# Altium PCB ControllerV3.0.PcbDoc (part 1 of 2) (continued)
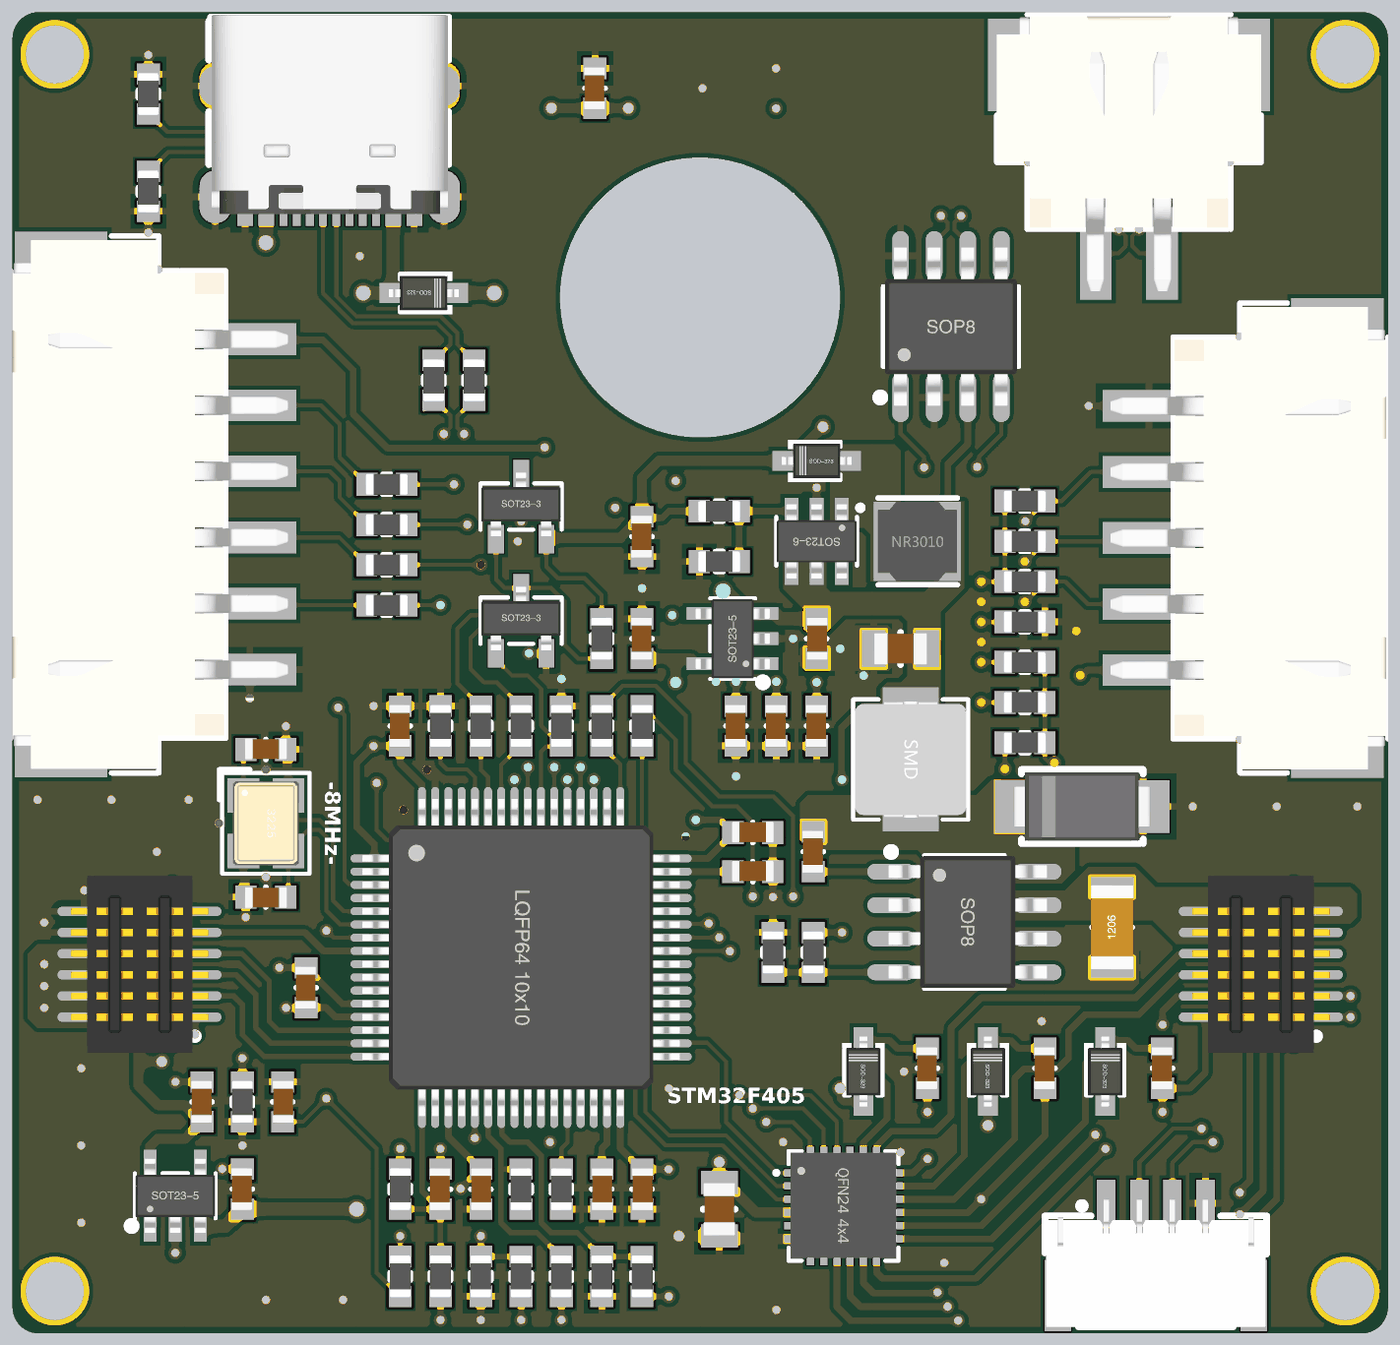
[diagram p6: 3D render of the assembled board from below, using the file's embedded part models]

## Layer stack, top to bottom
Top Solder: solder mask 0.4, Solder Resist, Dk 3.5
Top: signal copper 1.4
Dielectric 4: prepreg 2.8, PP-006, Dk 4.1
Dielectric 2: prepreg 2.8, PP-006, Dk 4.1
Gnd: signal copper 1.378
Dielectric 1: dielectric 47.244, FR-4, Dk 4.8
Signal: signal copper 1.378
Dielectric 3: prepreg 2.8, PP-006, Dk 4.1
Dielectric 5: prepreg 2.8, PP-006, Dk 4.1
Bottom: signal copper 1.4
Bottom Solder: solder mask 0.4, Solder Resist, Dk 3.5

## Board outline
-0.63,39.37 -0.63,1929.13 cw(c38.74,1929.13) 38.74,1968.5 2007.87,1968.5 cw(c2007.87,1929.13) 2047.24,1929.13 2047.24,39.37 cw(c2007.87,39.37) 2007.87,0 38.74,0 cw(c38.74,39.37)
cut-out: 1023.62,1334.65 cw(c1023.62,1543.31) 814.96,1543.31 cw(c1023.62,1543.31) 1023.62,1751.97 cw(c1023.62,1543.31) 1232.28,1543.31 cw(c1023.62,1543.31)

## Design rules (kind name [scope] priority, off if disabled: settings)
BoardOutlineClearance [All] p1: gap=0 ignorepadtopadclearanceinfootprint=FALSE except(10: Poly-OutlineEdge)
Clearance [All] p1: gap=6 ignorepadtopadclearanceinfootprint=FALSE except(4: Arc-Arc Arc-Track Track-Track)
ComponentClearance [All] p1: gap=0 collisioncheckmode=3 verticalgap=0 showdistances=FALSE
Height [All] p1: minheight=0 maxheight=2000 prefheight=500
HoleSize [All] p1: absolutevalues=TRUE maxlimit=500 minlimit=1 maxpercent=80.000 minpercent=20.000
HoleToHoleClearance [All] p1: gap=0 allowstackedmicrovias=TRUE
MinimumSolderMaskSliver [All] p1: minsoldermaskwidth=0
PolygonConnect PolygonConnect_18 [All vs IsNamedPolygon('GND_L04_P002')] p1: connectstyle=Direct reliefconductorwidth=10 reliefentries=4 polygonreliefangle="90 Angle" airgapwidth=10
PolygonConnect PolygonConnect_17 [All vs IsNamedPolygon('GND_L04_P018')] p2: thpad.connectstyle=Relief thpad.reliefconductorwidth=10 thpad.reliefentries=4 thpad.polygonreliefangle="90 Angle" thpad.airgapwidth=10 smdpad.connectstyle=Relief smdpad.reliefconductorwidth=10 smdpad.reliefentries=4 smdpad.polygonreliefangle="90 Angle" smdpad.airgapwidth=10 via.connectstyle=Direct via.reliefconductorwidth=10 via.reliefentries=4 via.polygonreliefangle="90 Angle" via.airgapwidth=10
PolygonConnect PolygonConnect_16 [All vs IsNamedPolygon('GND_L02_P017')] p3: thpad.connectstyle=Relief thpad.reliefconductorwidth=10 thpad.reliefentries=4 thpad.polygonreliefangle="90 Angle" thpad.airgapwidth=10 smdpad.connectstyle=Relief smdpad.reliefconductorwidth=10 smdpad.reliefentries=4 smdpad.polygonreliefangle="90 Angle" smdpad.airgapwidth=10 via.connectstyle=Direct via.reliefconductorwidth=10 via.reliefentries=4 via.polygonreliefangle="90 Angle" via.airgapwidth=10
PolygonConnect PolygonConnect_15 [All vs IsNamedPolygon('GND_L01_P016')] p4: thpad.connectstyle=Relief thpad.reliefconductorwidth=10 thpad.reliefentries=4 thpad.polygonreliefangle="90 Angle" thpad.airgapwidth=10 smdpad.connectstyle=Relief smdpad.reliefconductorwidth=10 smdpad.reliefentries=4 smdpad.polygonreliefangle="90 Angle" smdpad.airgapwidth=10 via.connectstyle=Direct via.reliefconductorwidth=10 via.reliefentries=4 via.polygonreliefangle="90 Angle" via.airgapwidth=10
PolygonConnect PolygonConnect_14 [All vs IsNamedPolygon('AGND_L01_P015')] p5: thpad.connectstyle=Relief thpad.reliefconductorwidth=10 thpad.reliefentries=4 thpad.polygonreliefangle="90 Angle" thpad.airgapwidth=10 smdpad.connectstyle=Relief smdpad.reliefconductorwidth=10 smdpad.reliefentries=4 smdpad.polygonreliefangle="90 Angle" smdpad.airgapwidth=10 via.connectstyle=Direct via.reliefconductorwidth=10 via.reliefentries=4 via.polygonreliefangle="90 Angle" via.airgapwidth=10
PolygonConnect PolygonConnect_13 [All vs IsNamedPolygon('AGND_L04_P014')] p6: connectstyle=Direct reliefconductorwidth=10 reliefentries=4 polygonreliefangle="90 Angle" airgapwidth=10
PolygonConnect PolygonConnect_12 [All vs IsNamedPolygon('Bottom-GND')] p7: connectstyle=Direct reliefconductorwidth=10 reliefentries=4 polygonreliefangle="90 Angle" airgapwidth=10
PolygonConnect PolygonConnect_11 [All vs IsNamedPolygon('NETD2_2_L04_P011')] p8: connectstyle=Direct reliefconductorwidth=10 reliefentries=4 polygonreliefangle="90 Angle" airgapwidth=10
PolygonConnect PolygonConnect_10 [All vs IsNamedPolygon('5V_L04_P010')] p9: connectstyle=Direct reliefconductorwidth=10 reliefentries=4 polygonreliefangle="90 Angle" airgapwidth=10
PolygonConnect PolygonConnect_9 [All vs IsNamedPolygon('GND_L04_P009')] p10: connectstyle=Direct reliefconductorwidth=10 reliefentries=4 polygonreliefangle="90 Angle" airgapwidth=10
PolygonConnect PolygonConnect_8 [All vs IsNamedPolygon('Bottom-5V')] p11: connectstyle=Direct reliefconductorwidth=10 reliefentries=4 polygonreliefangle="90 Angle" airgapwidth=10
PolygonConnect PolygonConnect_7 [All vs IsNamedPolygon('Bottom-5V')] p12: connectstyle=Direct reliefconductorwidth=10 reliefentries=4 polygonreliefangle="90 Angle" airgapwidth=10
PolygonConnect PolygonConnect_6 [All vs IsNamedPolygon('5V_L04_P005')] p13: connectstyle=Direct reliefconductorwidth=10 reliefentries=4 polygonreliefangle="90 Angle" airgapwidth=10
PolygonConnect PolygonConnect_5 [All vs IsNamedPolygon('5V_L04_P003')] p14: connectstyle=Direct reliefconductorwidth=10 reliefentries=4 polygonreliefangle="90 Angle" airgapwidth=10
PolygonConnect PolygonConnect_4 [All vs IsNamedPolygon('NETC1_2_L04_P001')] p15: connectstyle=Direct reliefconductorwidth=10 reliefentries=4 polygonreliefangle="90 Angle" airgapwidth=10
PolygonConnect PolygonConnect_3 [All vs IsNamedPolygon('GND_L04_P002')] p16: connectstyle=Direct reliefconductorwidth=10 reliefentries=4 polygonreliefangle="90 Angle" airgapwidth=10
PolygonConnect PolygonConnect_2 [All vs IsNamedPolygon('DCBUS_L04_P000')] p17: connectstyle=Direct reliefconductorwidth=10 reliefentries=4 polygonreliefangle="90 Angle" airgapwidth=10
PolygonConnect [All vs IsNamedPolygon('5V_L04_P003')] p18: connectstyle=Direct reliefconductorwidth=10 reliefentries=4 polygonreliefangle="90 Angle" airgapwidth=10
PolygonConnect PolygonConnect_1 [All] p19: connectstyle=Relief reliefconductorwidth=10 reliefentries=4 polygonreliefangle="90 Angle" airgapwidth=10
RoutingVias [All] p1: holewidth=12 width=24 viastyle="Through Hole" minholewidth=10 minwidth=10 maxholewidth=30 maxwidth=50
SilkToSilkClearance [All] p1: silktosilkclearance=0
SilkToSolderMaskClearance [IsPad] p1: minsilkscreentomaskgap=0 clearancetoexposedcopper=TRUE
SolderMaskExpansion [IsVia] p1: expansion=4 istentingtop=TRUE
Width [All] p1: maxlimit=100 minlimit=6 preferedwidth=10
23 further rules are at their usual default settings.

## Classes and differential pairs
component class ControllerV3.0_2: C19 C20 C21 C22 C23 C24 C25 C26 C27 D4 D5 D6 J1 J2 OLED1 Q1 Q2 R17 R18 R19 R20 R21 R22 R23 R24 R25 R26 R27 R28 R29 R30 R31 R32 R33 R34 R35 R36 R37 R38 RGB1 U7 XH3 XH4
component class ControllerV3.0_1: C1 C2 C3 C4 C5 C6 C7 C8 C9 C10 C11 C12 C13 C14 C15 C16 C17 C18 D1 D2 D3 L1 L2 LED1 LED2 R1 R2 R3 R4 R5 R6 R7 R8 R9 R10 R11 R12 R13 R14 R15 R16 SW1 SW2 U1 U2 U3 U4 U5 U6 USB1 X1 XH1 XH2

## Components (designator, comment, footprint, x,y, rotation, side; value= is the part's Value field where it differs from the comment)
C1 "10nf" C0603_S 855,717.6 r90 bottom
C2 "10uf" C1206_S 410,605 r90 bottom
C3 "22uf" C0603_S 1110,1187 r90 bottom
C4 "47uf" C0805_S 725,1020 r180 bottom
C5 "1uf" C0603_S 850,1035 r270 bottom
C6 "1uf" C0603_S 1110,1035 r90 bottom
C7 "2.2uf" C0603_S 945,687.95 r180 bottom
C8 "2.2uf" C0603_S 1170,214.88 r270 bottom
C9 "0.1uf" C0603_S 1705,215 r90 bottom
C10 "0.1uf" C0603_S 1765,345 r90 bottom
C11 "0.1uf" C0603_S 1110,214.88 r270 bottom
C12 "0.1uf" C0603_S 1470,905 r90 bottom
C13 "0.1uf" C0603_S 945,746.13 r180 bottom
C14 "0.1uf" C0603_S 1350.01,214.88 r270 bottom
C15 "0.1uf" C0603_S 1610,515 r90 bottom
C16 "0.1uf" C0603_S 1645,345 r270 bottom
C17 "20pf" C0603_S 1670,650 r0 bottom
C18 "20pf" C0603_S 1670,870 r180 bottom
C19 "1uf" C0603_S 685,395 r90 bottom
C20 "1uf" C0603_S 510,395 r90 bottom
C21 "10uf" C0805_S 995,185 r90 bottom
C22 "1uf" C0603_S 335,395 r90 bottom
C23 "0.1uf" C0603_S 910,905 r90 bottom
C24 "4.7uf" C0603_S 970,905 r90 bottom
C25 "4.7uf" C0603_S 850,905 r90 bottom
C26 "0.1uf" C0603_S 1410.01,214.88 r90 bottom
C27 "0.1uf" C0603_S 1180,1855 r90 bottom
D1 "SS34" SS34 545,785 r180 bottom
D2 "1N5819WS" SOD-323 850,1300 r180 bottom
D3 "1N5819WS" SOD-323 1435,1550 r0 bottom
D4 "1N5819WS" SOD-323 780.47,390 r270 bottom
D5 "1N5819WS" SOD-323 595,390 r270 bottom
D6 "1N5819WS" SOD-323 420.26,390 r270 bottom
J1 "BTB-2X6-F" BTB-F-0.8MM-2X6P 188.74,550 r0 bottom
J2 "BTB-2X6-F" BTB-F-0.8MM-2X6P 1858.23,550 r0 bottom
L1 "10uH" SMD-0420 710,855 r270 bottom
L2 "10uH" IND-SMD_L3.0-W3.0_SWPA3010S 700,1180 r180 bottom value=22uH
LED1 "LED_0603-B" LED_0603 948.99,1262.87 r90 top
LED2 "LED_0603-B" LED_0603 1098.53,1262.87 r90 top
OLED1 "OLED_12880" OLED_12880 693.74,932.05 r180 top
Q1 "FDN338P" SOT-23-3 1290,1235 r270 bottom
Q2 "FDN335N" SOT-23-3 1290,1065 r270 bottom
R1 "10k" R0603_S 1230,214.88 r270 bottom
R2 "470k" R0603_S 995,1225 r0 bottom
R3 "47k" R0603_S 855,567.56 r90 bottom
R4 "30k" R0603_S 995,1150 r180 bottom
R5 "15k" R0603_S 915,567.65 r270 bottom
R6 "2k" R0603_S 1290,905 r270 bottom
R7 "10k" R0603_S 1410,905 r90 bottom
R8 "510R" R0603_S 1350,905 r270 bottom
R9 "5.1k" R0603_S 1845,1701.29 r90 bottom
R10 "120R" R0603_S 385,1695 r0 top
R11 "10k" R0603_S 1470,85 r90 bottom
R12 "22R" R0603_S 1110,905 r90 bottom
R13 "22R" R0603_S 1360,1420 r270 bottom
R14 "22R" R0603_S 1420,1420 r270 bottom
R15 "22R" R0603_S 1170,905 r90 bottom
R16 "5.1k" R0603_S 1845,1846.42 r270 bottom
R17 "0R" R0603_S 1705,345 r270 bottom
R18 "47k" R0603_S 1170,1035 r90 bottom
R19 "10k" R0603_S 1410,85 r270 bottom
R20 "47k" R0603_S 1230,905 r270 bottom
R21 "470k" R0603_S 540,1060 r0 bottom
R22 "1k" R0603_S 1470,215 r270 bottom
R23 "22R" R0603_S 540,1000 r180 bottom
R24 "2.2k" R0603_S 540,880 r180 bottom
R25 "22R" R0603_S 540,940 r180 bottom
R26 "30k" R0603_S 1290,84.88 r270 bottom
R27 "30k" R0603_S 1230,84.88 r270 bottom
R28 "30k" R0603_S 1110,84.88 r270 bottom
R29 "2k" R0603_S 1350,84.88 r90 bottom
R30 "2k" R0603_S 1290,214.88 r90 bottom
R31 "2k" R0603_S 1170,84.88 r90 bottom
R32 "3.3k" R0603_S 540,1120 r0 bottom
R33 "3.3k" R0603_S 540,1180 r0 bottom
R34 "3.3k" R0603_S 540,1240 r0 bottom
R35 "22R" R0603_S 1490,1265 r0 bottom
R36 "22R" R0603_S 1490,1205 r0 bottom
R37 "22R" R0603_S 1490,1145 r0 bottom
R38 "22R" R0603_S 1490,1085 r0 bottom
RGB1 "XL-3528RGBW-WS2812B" LED-SMD_4P 1019.46,1855 r180 top
SW1 "TS-1187A-B-A-B" "TSW SMD-4*4*1.5" 1672.66,1045.16 r0 top
SW2 "TS-1187A-B-A-B" "TSW SMD-4*4*1.5" 1672.66,790.2 r0 top
U1 "STM32F405RGT6" LQFP_64 1290,560 r180 bottom
U2 "TPS5450DDAR" SOP-8-EP 630,612.95 r270 bottom
U3 "MT3608L" SOT-23-6 850,1180 r0 bottom
U4 "TLV75733PDBVR" SOT-23-5 975,1035 r90 bottom
U5 "LP5907QMFX-3.3" SOT-23-5 1805,205 r180 bottom
U6 "TJA1051T/1J" SOP-8 650,1500 r180 bottom
U7 "FD6288Q" QFN-24-EP(4x4) 810,190 r270 bottom
USB1 "TYPE-C 16PIN 2MD(073)" USB-C-SMD_TYPE-C-6PIN-2MD-073 1575,1765 r0 bottom
X1 "-" "OSC 3225-4P" 1670,760 r270 bottom
XH1 "XH2.54-WS-2P" XH2.54-WS-2P 385,1805 r0 bottom
XH2 "GH1.25-WS-4P" GH1.25-WS-4P 345,125 r180 bottom
XH3 "XH2.54-WS-6P" XH2.54-WS-6P 1890,1235 r270 bottom
XH4 "XH2.54-WS-5P" XH2.54-WS-5P 159.37,1185 r90 bottom

## Footprints (in the part's own frame and the unit in brackets; to place one, negate y for a bottom-side part, rotate by r counter-clockwise, add the part's x,y. Pads: shape width x height; smd on the part's side, far side on the other; paste and mask are expansions set on the pad)
BTB-F-0.8MM-2X6P [mm] "0.8间距2x6P母座，SMD"
  oval 2x0.35 smd: 1(-2.1,2) 2(-2.1,1.2) 3(-2.1,0.4) 4(-2.1,-0.4) 5(-2.1,-1.2) 6(-2.1,-2) 7(2.1,-2) 8(2.1,-1.2) 9(2.1,-0.4) 10(2.1,0.4) 11(2.1,1.2) 12(2.1,2)
  silkscreen extent -2.22,-3.2 0.7,3.2, body extent -2.61,-3.35 2.59,3.35, height 3.9
C0603_S [mil]
  rect 31.75x34.02 smd paste+0 mask+4: 1(-29.65,0) 2(29.66,0)
  silkscreen extent 0,-15 0,15, body extent -31,-15 31,16, height 24
C0805_S [mil]
  rect 35x55.1 smd paste+0 mask+4: 1(40,0) 2(-40,0)
  silkscreen extent 0,-24 0,24, body extent -39,-24 39,24, height 37
C1206_S [mil]
  rect 30x64 smd paste+0 mask+4: 1(60,0) 2(-60,0)
  silkscreen extent 0,-30 0,30, body extent -63,-32 63,32, height 48
GH1.25-WS-4P [mm]
  rect 0.7x1.8 smd paste+0 mask+0.05: 1(-1.875,1.75) 2(-0.625,1.75) 3(0.625,1.75) 4(1.875,1.75)
  rect 1x2.7 smd paste+0 mask+0.05: 5(3.705,-1.75) 6(-3.705,-1.75)
  silkscreen extent -4.19,-2.92 4.19,1.78, body extent -4.15,-2.93 4.15,1.92, height 4.1
IND-SMD_L3.0-W3.0_SWPA3010S [mm]
  rect 1x3 smd: 1(1.15,0) 2(-1.15,0)
  silkscreen extent -1.49,-1.65 1.52,1.64, body extent -1.5,-1.5 1.5,1.5, height 1.15
LED-SMD_4P [mm]
  rect 1.2x0.9 smd: 1(1.5,-0.75) 2(1.5,0.75) 3(-1.5,0.75) 4(-1.5,-0.75)
  silkscreen extent -1.6,-1.65 2.29,1.4, body extent -1.75,-1.4 1.75,1.4, height 1.95
LED_0603 [mil]
  rect 31.5x31.5 smd paste+0 mask+2: 1(-33.5,-0.4) 2(29.5,-0.2)
  silkscreen extent -61,-30 53,30, body extent -36,-16 26,16, height 18
LQFP_64 [mm] "LQFP_64_N"
  oval 1.8x0.3 smd: 1(-5.55,3.75) 2(-5.55,3.25) 3(-5.55,2.75) 4(-5.55,2.25) 5(-5.55,1.75) 6(-5.55,1.25) 7(-5.55,0.75) 8(-5.55,0.25) 9(-5.55,-0.25) 10(-5.55,-0.75) 11(-5.55,-1.25) 12(-5.55,-1.75) 13(-5.55,-2.25) 14(-5.55,-2.75) 15(-5.55,-3.25) 16(-5.55,-3.75) 33(5.55,-3.75) 34(5.55,-3.25) 35(5.55,-2.75) 36(5.55,-2.25) 37(5.55,-1.75) 38(5.55,-1.25) 39(5.55,-0.75) 40(5.55,-0.25) 41(5.55,0.25) 42(5.55,0.75) 43(5.55,1.25) 44(5.55,1.75) 45(5.55,2.25) 46(5.55,2.75) 47(5.55,3.25) 48(5.55,3.75)
  oval 0.3x1.8 smd: 17(-3.75,-5.55) 18(-3.25,-5.55) 19(-2.75,-5.55) 20(-2.25,-5.55) 21(-1.75,-5.55) 22(-1.25,-5.55) 23(-0.75,-5.55) 24(-0.25,-5.55) 25(0.25,-5.55) 26(0.75,-5.55) 27(1.25,-5.55) 28(1.75,-5.55) 29(2.25,-5.55) 30(2.75,-5.55) 31(3.25,-5.55) 32(3.75,-5.55) 49(3.75,5.55) 50(3.25,5.55) 51(2.75,5.55) 52(2.25,5.55) 53(1.75,5.55) 54(1.25,5.55) 55(0.75,5.55) 56(0.25,5.55) 57(-0.25,5.55) 58(-0.75,5.55) 59(-1.25,5.55) 60(-1.75,5.55) 61(-2.25,5.55) 62(-2.75,5.55) 63(-3.25,5.55) 64(-3.75,5.55)
  silkscreen extent -4.25,-4.25 4.25,4.25, body extent -6,-6 6,6, height 1.45
OLED_12880 [mm] "OLED_128*80"
  rrect50% 3.5x0.4 smd: 1(0,-4.2) 2(0,-3.5) 3(0,-2.8) 4(0,-2.1) 5(0,-1.4) 6(0,-0.7) 7(0,0) 8(0,0.7) 9(0,1.4) 10(0,2.1) 11(0,2.8) 12(0,3.5) 13(0,4.2)
  silkscreen extent -20.32,-6.35 3.56,6.35, body extent -20.18,-6.25 7.54,6.25, height 1.55
"OSC 3225-4P" [mm] "3.2*2.5*0.7mm(长宽高)"
  rect 1.3x1.2 smd: 1(-1.05,-0.85) 2(1.05,-0.85) 3(1.05,0.85) 4(-1.05,0.85)
  silkscreen extent -2.03,-1.75 1.91,1.65, body extent -1.6,-1.25 1.6,1.25, height 0.7
QFN-24-EP(4x4) [mm]
  rect 0.28x0.665 smd paste-100 mask+0.05: 1(-1.25,-1.908) 2(-0.75,-1.908) 3(-0.25,-1.908) 4(0.25,-1.908) 5(0.75,-1.908) 6(1.25,-1.908) 13(1.25,1.908) 14(0.75,1.908) 15(0.25,1.908) 16(-0.25,1.908) 17(-0.75,1.908) 18(-1.25,1.908)
  rect 0.665x0.28 smd paste-100 mask+0.05: 7(1.908,-1.25) 8(1.908,-0.75) 9(1.908,-0.25) 10(1.908,0.25) 11(1.908,0.75) 12(1.908,1.25) 19(-1.908,1.25) 20(-1.908,0.75) 21(-1.908,0.25) 22(-1.908,-0.25) 23(-1.908,-0.75) 24(-1.908,-1.25)
  rect 2.55x2.55 smd paste-100 mask+0.05: 25(0,0)
  silkscreen extent -2.08,-2.61 2.08,2.08, body extent -2.03,-2.01 1.99,2.01, height 0.95
R0603_S [mil]
  rect 31.75x34.02 smd paste+0 mask+4: 1(-29.61,0) 2(29.7,0)
  silkscreen extent -6,-15 6,15, body extent -31,-16 31,16, height 15
SMD-0420 [mm]
  rect 1.4x2.12 smd: 1(2.028,0) 2(-2.028,0)
  silkscreen extent -2.28,-2.18 2.28,2.18, body extent -2.2,-2.1 2.2,2.1, height 2.1
SOD-323 [mm]
  rect 1x0.75 smd: 1(-1.173,0) 2(1.173,0)
  silkscreen extent -1.08,-0.8 0.9,0.8, body extent -1.32,-0.65 1.32,0.65, height 1
SOP-8 [mm]
  oval 0.63x1.865 smd: 1(-1.905,-2.682) 2(-0.635,-2.682) 3(0.635,-2.682) 4(1.905,-2.682) 5(1.905,2.682) 6(0.635,2.682) 7(-0.635,2.682) 8(-1.905,2.682)
  silkscreen extent -2.82,-2.83 2.58,1.52, body extent -2.5,-3 2.5,3, height 1.9
SOP-8-EP [mm]
  oval 0.6x1.8 smd: 1(-1.905,-2.772) 2(-0.635,-2.772) 3(0.635,-2.772) 4(1.905,-2.772) 5(1.905,2.772) 6(0.635,2.772) 7(-0.635,2.772) 8(-1.905,2.772)
  rect 2.29x2.29 smd: 9(0,0)
  silkscreen extent -2.8,-2.92 2.53,1.52, body extent -2.5,-2.88 2.5,3.13, height 1.9
SOT-23-3 [mm]
  rect 1.07x0.6 smd paste+0 mask+0.051: 1(1.314,-0.95) 2(1.314,0.95) 3(-1.156,0)
  silkscreen extent -0.8,-1.54 0.96,1.54, body extent -1.2,-1.5 1.2,1.5, height 1.05
SOT-23-5 [mm]
  rect 0.49x1.157 smd: 1(-0.95,-1.154) 2(0,-1.154) 3(0.95,-1.154)
  rect 0.49x1.175 smd: 4(0.95,1.154) 5(-0.95,1.154)
  silkscreen extent -1.8,-1.29 1.53,0.85, body extent -1.5,-1.4 1.5,1.4, height 1.15
SOT-23-6 [mm]
  rect 0.532x0.99 smd: 1(-0.95,-1.145) 2(0,-1.145) 3(0.95,-1.145) 4(0.95,1.145) 5(0,1.145) 6(-0.95,1.145)
  silkscreen extent -1.75,-1.37 1.53,0.93, body extent -1.5,-1.4 1.5,1.4, height 1.15
SS34 [mil]
  rect 78.7x78.7 smd mask+2: 1(0,0) 2(181.1,0)
  silkscreen extent 0,-55 181,55, body extent -12,-51 192,51, height 95
"TSW SMD-4*4*1.5" [mm] "轻触开关，长宽高：4*4*1.5mm"
  rect 1.6x1 smd: 1(-2.8,1.85) 2(-2.8,-1.85) 3(2.8,-1.85) 4(2.8,1.85)
  silkscreen extent -2.55,-2.55 2.55,2.55, body extent -3.2,-2.6 3.2,2.6, height 3.2
USB-C-SMD_TYPE-C-6PIN-2MD-073 [mm]
  rect 0.6x1.1 smd paste-100 mask+0.05: 1(-3.2,2.375) 2(-2.4,2.375) 11(2.4,2.375) 12(3.2,2.375)
  rect 0.3x1.1 smd paste-100 mask+0.05: 3(-1.75,2.375) 4(-1.25,2.375) 5(-0.75,2.375) 6(-0.25,2.375) 7(0.25,2.375) 8(0.75,2.375) 9(1.25,2.375) 10(1.75,2.375)
  oval 1.2x1.8 hole 0.6 slot 1.2 at 90 deg paste+0 mask+0.05: 13(-4.325,-2.375) 14(4.325,-2.375)
  oval 1.2x2 hole 0.6 slot 1.5 at 90 deg paste+0 mask+0.05: 13(-4.325,1.825) 14(4.325,1.825)
  Keep-Out Layer board cut-out: 3.24,1.305 3.24,1.375 3.187,1.503 3.088,1.602 2.96,1.655 2.821,1.655 2.692,1.602 2.593,1.503 2.54,1.375 2.54,1.305 2.54,1.235 2.593,1.107 2.692,1.008 2.821,0.955 2.96,0.955 3.088,1.008 3.187,1.107 3.24,1.235 3.24,1.305 3.24,1.305
  Keep-Out Layer board cut-out: -2.54,1.305 -2.54,1.375 -2.593,1.503 -2.692,1.602 -2.82,1.655 -2.96,1.655 -3.088,1.602 -3.187,1.503 -3.24,1.375 -3.24,1.305 -3.24,1.235 -3.187,1.107 -3.088,1.008 -2.96,0.955 -2.82,0.955 -2.692,1.008 -2.593,1.107 -2.54,1.235 -2.54,1.305 -2.54,1.305
  Multi-Layer keep-out region: 3.24,1.305 3.24,1.375 3.187,1.503 3.088,1.602 2.96,1.655 2.821,1.655 2.692,1.602 2.593,1.503 2.54,1.375 2.54,1.305 2.54,1.235 2.593,1.107 2.692,1.008 2.821,0.955 2.96,0.955 3.088,1.008 3.187,1.107 3.24,1.235 3.24,1.305 3.24,1.305
  Multi-Layer keep-out region: -2.54,1.305 -2.54,1.375 -2.593,1.503 -2.692,1.602 -2.82,1.655 -2.96,1.655 -3.088,1.602 -3.187,1.503 -3.24,1.375 -3.24,1.305 -3.24,1.235 -3.187,1.107 -3.088,1.008 -2.96,0.955 -2.82,0.955 -2.692,1.008 -2.593,1.107 -2.54,1.235 -2.54,1.305 -2.54,1.305
  silkscreen extent -4.5,-4.97 4.57,0.6, body extent -4.47,-5.07 4.47,2.74, height 3.16
XH2.54-WS-2P [mm] "长：10mm，宽：8mm，高：6.1mm   淘宝ID:黄晶宝石   店铺网址:https://shop463601444.taobao.com"
  rect 2x3.5 smd: 0(-4.327,-2.15) 0(4.327,-2.15)
  rect 1.2x3.5 smd: 1(-1.25,4.981) 2(1.25,4.981)
  silkscreen extent -5,-4.06 5,4.06, body extent -5,-4 5,6.42, height 6.05
XH2.54-WS-5P [mm] "长：17.5mm，宽：8mm，高：6.1mm"
  rect 2x3.5 smd: 0(-8.077,-2.15) 0(8.077,-2.15)
  rect 1.2x3.5 smd: 1(-5,4.981) 2(-2.5,4.981) 3(0,4.981) 4(2.5,4.981) 5(5,4.981)
  silkscreen extent -8.89,-4.06 8.89,4.06, body extent -8.75,-4 8.75,6.42, height 6.05
XH2.54-WS-6P [mm] "长：20mm，宽：8mm，高：6.1mm"
  rect 2x3.5 smd: 0(-9.327,-2.15) 0(9.327,-2.15)
  rect 1.2x3.5 smd: 1(-6.25,4.981) 2(-3.75,4.981) 3(-1.25,4.981) 4(1.25,4.981) 5(3.75,4.981) 6(6.25,4.981)
  silkscreen extent -10.16,-4.06 10.16,4.06, body extent -10,-4 10,6.42, height 6.05

## Part data
C1 C2 C3 C4 C5 C6 C7 C8 C9 C10 C11 C12 C13 C14 C15 C16 C17 C18 C19 C20 C21 C22 C23 C24 C25 C26 C27: library part CAP, "贴片电容"
D1: "肖特基二极管", JLCPCB Part Class="Basic Part", Manufacturer=MDD, Add into BOM=yes, Convert to PCB=yes, Datasheet=https://atta.szlcsc.com/upload/public/pdf/source/20220408/D0396E57A6E83C6AFC0ED25EC9EDE030.pdf, Device=SS34_C8678, LCSC Part Name=SS34, Manufacturer Part=SS34, Name=SS34, Supplier=LCSC, Supplier Footprint=SMA(DO-214AC), Supplier Part=C8678, Symbol=SS34_C8678
D2 D3 D4 D5 D6: "肖特基二极管", Average Rectified Current (Io)=1A, Forward Voltage (Vf@If)=600mV@1A, JLCPCB Part Class=基础库, LCSC Part Name="电压:40V 电流:1A", Manufacturer=Hottech(合科泰), Reverse Voltage (Vr)=40V, Add into BOM=yes, Convert to PCB=yes, Datasheet=https://atta.szlcsc.com/upload/public/pdf/source/20220428/3CB86FD8D28D653594B4E35F9D5AEFD9.pdf, Device=1N5819WS_C191023, Manufacturer Part=1N5819WS, Supplier=LCSC, Supplier Footprint=SOD-323, Supplier Part=C191023, Symbol=1N5819WS
J1 J2: "0.8间距2x6P母座"
L1: library part IND, "功率电感"
L2: library part SWPA3015S100MT, "电感值:10uH;精度:±20%;额定电流:920mA;", DC Resistance (DCR)=110mΩ, JLCPCB Part Class="Extended Part", LCSC Part Name="22uH ±20% 1.23A 110mΩ", Manufacturer=SXN(顺翔诺), Manufacturer Part=SMDRI74-220M, Rated Current=1.23A, Tolerance=±20%, Add into BOM=yes, Convert to PCB=yes, Datasheet=https://atta.szlcsc.com/upload/public/pdf/source/20210810/6F96FDC19AA308DD2AD166FFB9640E87.pdf, Device=SMDRI74-220M, Supplier=LCSC, Supplier Footprint=SMD, Supplier Part=C164083, Symbol=SMDRI74-220M
LED1 LED2: library part LED, Add into BOM=yes, Convert to PCB=yes, Device=LED_0603-B, Supplier Footprint=0603, Symbol=LED_B
OLED1: "OLED_128*80"
Q1: "P沟道 耐压:20V 电流:2A", JLCPCB Part Class=扩展库, Manufacturer="TECH PUBLIC(台舟)", Add into BOM=yes, Convert to PCB=yes, Datasheet=https://atta.szlcsc.com/upload/public/pdf/source/20210903/7E6CB84F0F80073F6978D1021964D836.pdf, Device=FDN338P, LCSC Part Name=FDN338P, Manufacturer Part=FDN338P, Supplier=LCSC, Supplier Footprint=SOT-23, Supplier Part=C2890130, Symbol=FDN338P_C2890130
Q2: "N沟道 耐压:20V 电流:1.7A", JLCPCB Part Class=扩展库, Manufacturer="TECH PUBLIC(台舟)", Add into BOM=yes, Convert to PCB=yes, Datasheet=https://atta.szlcsc.com/upload/public/pdf/source/20221011/C6D62871DD587F26C6CC0F7FCE0BC659.pdf, Device=FDN335N_C5123904, LCSC Part Name=FDN335N, Manufacturer Part=FDN335N, Supplier=LCSC, Supplier Footprint=SOT-23(TO-236), Supplier Part=C5123904, Symbol=FDN335N_C5123904
R1 R2 R3 R4 R5 R6 R7 R8 R9 R10 R11 R12 R13 R14 R15 R16 R17 R18 R19 R20 R21 R22 R23 R24 R25 R26 R27 R28 R29 R30 R31 R32 R33 R34 R35 R36 R37 R38: library part RES, "贴片电阻"
RGB1: "发光颜色:RGB三色", Emitted Color=RGB三色, Forward Current=20mA, JLCPCB Part Class=扩展库, LCSC Part Name="RGB三色 正贴 幻彩", Manufacturer=XINGLIGHT(成兴光), Operating Temperature=-25℃~+80℃, Power Dissipation=50mW；50mW；45mW, Add into BOM=yes, Convert to PCB=yes, Datasheet=https://atta.szlcsc.com/upload/public/pdf/source/20221102/50F456983F591359B0D81AA557777463.pdf, Device=XL-3528RGBW-WS2812B, Diode Configuration=-, Dominant Wavelength=618nm~623nm；520nm~525nm；467nm~472nm, Manufacturer Part=XL-3528RGBW-WS2812B, Mounting Sytle=正贴, Peak Wavelength=525nm；623nm；472nm, Supplier=LCSC, Supplier Footprint=SMD3528-4P, Supplier Part=C2890364, Symbol=XL-3528RGBW-WS2812B, Viewing Angle=120°
SW1 SW2: "轻触开关", Actuator/Cap Color=金色, Contact Current=50mA, Insulation Resistance=-, JLCPCB Part Class=基础库, LCSC Part Name="5.1*5.1*1.5mm 立贴 轻触开关", Manufacturer="XKB Connectivity(中国星坤)", Operating Force=160gf, Operating Temperature=-30℃~+85℃, Voltage Rating (DC)=12V, Actuator Style=圆形按钮, Add into BOM=yes, Circuit=单刀单掷, Convert to PCB=yes, Datasheet=https://atta.szlcsc.com/upload/public/pdf/source/20200227/C318890_053E50208A88A7BA1965D8746000774E.pdf, Device=TS-1187A-B-A-B, Manufacturer Part=TS-1187A-B-A-B, Mechanical Life=10万次, Mounting Style=立贴, Strike Gundam=不带, Supplier=LCSC, Supplier Footprint=SMD, Supplier Part=C318884, Switch Height=1.5mm, Switch Length=5.1mm, Switch Width=5.1mm, Symbol=TS-1187A-B-A-B, With Lamp=无
U1: "ARM Cortex-M4 32-bit MCU+FPU, 210 DMIPS, 1024 kB Flash, 192 kB Internal RAM, 51 I/Os, 64-pin LQFP, -40 to 85 degC, Tray", I/Os (High Current)=51, Manufacturer=STMicroelectronics, Operating Frequency(F) (Processor speed) (MHz)=168, Supplier Part Number 1=497-11767-ND, Supply Voltage(Vcc) max (V)=3.6, Supply Voltage(Vcc) min (V)=1.8, ComponentLink1Description="Manufacturer URL", ComponentLink1URL=http://www.st.com/web/en/home.html, ComponentLink2Description=Datasheet, ComponentLink2URL=http://www.st.com/st-web-ui/static/active/en/resource/technical/document/datasheet/DM00037051.pdf, ComponentLink3Description="Package Specification", ComponentLink3URL=http://www.st.com/st-web-ui/static/active/en/resource/technical/document/datasheet/DM00037051.pdf, Core="ARM Cortex-M4", D/A Converter=2x12-bit, DatasheetVersion="Rev. 4", FLASH Size (Prog) (kB)=1024, Internal RAM Size (kB)=192, Mounting Technology="Surface Mount", PackageDescription="64-Pin Low Profile Quad Flat Package, 10 x 10 mm Body, 0.5 mm Pitch", PackageReference=LQFP64, PackageVersion="Rev. 4, 06/2013", Packing=Tray, PartNumber=STM32F405RGT6, Supplier 1=Digi-Key, Supplier 2=Farnell, Supplier 3=Newark, Supplier 4=Mouser, Supplier Part Number 2=2064363, Supplier Part Number 3=73T2329, Supplier Part Number 4=511-STM32F405RGT6
U2: Input Voltage=5.5V~36V, JLCPCB Part Class=扩展库, Manufacturer=TI(德州仪器), Operating Temperature=-40℃~+125℃@(TJ), Output Current (Max)=5A, Output Voltage=1.221V~31.32V, Switching Frequency=500kHz, Add into BOM=yes, Convert to PCB=yes, Datasheet=https://www.ti.com/cn/lit/gpn/tps5450, Device=TPS5450DDAR, Function=降压型, LCSC Part Name=TPS5450DDAR, Manufacturer Part=TPS5450DDAR, Number of Outputs=1, Output Type=可调, Supplier=LCSC, Supplier Footprint=SOP-8-EP-150mil, Supplier Part=C114425, Symbol=TPS5450DDAR, Synchronous Rectification=否, Topology=降压式
U3: JLCPCB Part Class=扩展库, Manufacturer=西安航天民芯, Add into BOM=yes, Convert to PCB=yes, Datasheet=https://atta.szlcsc.com/upload/public/pdf/source/20211213/953A62CC1033762E00AABAD4906DD7F1.pdf, Device=MT3608L, LCSC Part Name=MT3608L, Manufacturer Part=MT3608L, Supplier=LCSC, Supplier Footprint=SOT-23-6, Supplier Part=C2932326, Symbol=MT3608L
U4 U5: Dropout Voltage=400mV@(500mA), JLCPCB Part Class=扩展库, LCSC Part Name="输入5.5V 输出3.3V 500mA", Manufacturer=RICHTEK(立锜), Manufacturer Part=RT9013-33GB, Maximum Input Voltage=5.5V, Operating Temperature=-40℃~+85℃, Output Current=500mA, Output Voltage=3.3V, Power Supply Rejection Ratio (PSRR)=50dB@(10kHz), Quiescent Current (Ground Current)=50uA, Add into BOM=yes, Convert to PCB=yes, Datasheet=https://atta.szlcsc.com/upload/public/pdf/source/20150504/1457707282459.pdf, Device=RT9013-33GB, Feature=-, Noise=-, Number of Outputs=1, Output Polarity=正, Output Type=固定, Supplier=LCSC, Supplier Footprint=SOT-23-5, Supplier Part=C47773, Symbol=RT9013-33GB
U6: "类型:收发器;数据速率:5Mbps;", JLCPCB Part Class=扩展库, LCSC Part Name="5Mbps 4.5V~5.5V", Manufacturer=NXP(恩智浦), Operating Temperature=-40℃~+150℃, Supply Voltage=4.5V~5.5V, Add into BOM=yes, Convert to PCB=yes, Data Rate=5Mbps, Datasheet=https://atta.szlcsc.com/upload/public/pdf/source/20170810/C124020_1502335225901879762.pdf, Device=TJA1051T/1J, Manufacturer Part=TJA1051T/1J, Supplier=LCSC, Supplier Footprint=SOIC-8, Supplier Part=C92211, Symbol=TJA1051T/1J, type=收发器
U7: JLCPCB Part Class="Extended Part", Manufacturer="Fortior Tech(峰岹)", Add into BOM=yes, Convert to PCB=yes, Datasheet=https://atta.szlcsc.com/upload/public/pdf/source/20181108/C328453_785547738DB9FC0123219FC22539EFAD.pdf, Device=FD6288Q, LCSC Part Name=FD6288Q, Manufacturer Part=FD6288Q, Supplier=LCSC, Supplier Footprint=QFN-24-EP(4x4), Supplier Part=C328453, Symbol=FD6288Q_C328453
USB1: "连接器类型:Type-C;标准:-;公母:母座;触点数量:16;端口数量:1;安装方式:卧贴;额定电流 - 电源:5A;工作温度范围:-25℃~+85℃;", Current Rating - Power (Max)=5A, JLCPCB Part Class=扩展库, LCSC Part Name="TYPE-C母座 16P 4脚插件带定位柱 不锈钢外壳 2次模顶", Manufacturer="SHOU HAN(首韩)", Operating Temperature Range=-25℃~+85℃, Add into BOM=yes, Connector Type=Type-C, Convert to PCB=yes, Device="TYPE-C 16PIN 2MD(073)", Gender=母座, Manufacturer Part="TYPE-C 16PIN 2MD(073)", Mounting Style=卧贴, Number of Contacts=16, Number of Ports=1, Standard=-, Supplier=LCSC, Supplier Footprint=SMD, Supplier Part=C2765186, Symbol="TYPE-C 16PIN 2MD(073)"
X1: library part 四脚无源晶振, "8MHz", BOM_JLCPCB Part Class="Extended Part", BOM_Manufacturer=NDK, BOM_Manufacturer Part=NX2016SA-32MHZ-STD-CZS-5, BOM_Supplier=LCSC, BOM_Supplier Part=C843260, Contributor=LCSC, nameAlias=Frequency, spicePre=X, spiceSymbolName=NX2016SA-32MHZ-STD-CZS-5

## Free pads (board coordinates)
  round 102.36 hole 86.61: 8(62.99,62.99) 8(62.99,1905.51) 8(1984.25,62.99) 8(1984.25,1905.51)
  round 50 smd: 11(553,580) 11(742,580) 11(931,580) 11(1120,580) 11(1309,580) 11(1498,580)

## Via types
v1: diameter 20, hole 12, Top to Bottom, tented both sides, 201 vias
v2: diameter 24, hole 16, Top to Bottom, tented both sides, 10 vias
v3: diameter 30, hole 22, Top to Bottom, tented both sides, 5 vias
v4: diameter 27.56, hole 27.56, Top to Bottom, tented both sides, 4 vias
v5: diameter 24, hole 12, Top to Bottom, tented both sides, 4 vias

## Nets (pads, with @x,y where several pads share a name; then routed paths per layer and width w, separated by ;. In a path a pad name is that pad's centre, name@x,y a point inside that pad or via, vN(x,y) a via of type N, cw(c..) or ccw(c..) an arc to the next point about the centre after c; other vN are vias at no path point)
5V: C4.1 C5.1 C9.1 C27.1 D3.1 L1.2 L2.1 pad.11@931,580 R3.2 RGB1.3 U3.4 U3.5 U4.1 U4.3 U5.1 U5.3 U6.3 | length 4554.1
  Top w10: v1(812.26,825) v1(812.26,597.26) 829.53,580 pad.11@931,580 pad.11@945.68,594.68
  Top w15: RGB1.3@1078.52,1825.47 1078.58,1825.41 1130.29,1825.41 v2(1130.35,1825.35) ; v2@1245,1825 1330,1740 v3(1330,1550)
  Top w20: v3(1330,1550) 1330,1295 1200,1165 1048.4,1165 v3(989.25,1105.85) 1080.11,1015 1230,1015 1340,905 1600,905 1640,865 1640,695 1610,665 1440,665 1385,610 1385,450 1320,385 1320,280 1355,245 1420,245 1480,185 v3(1535,185)
  Bottom w10: U6.3@625,1394.39 625,1325 654.72,1295.28 L2.1@654.72,1180 ; L1.2@710,934.84 780.16,934.84 813.09,901.91 813.09,825.82 v1(812.26,825) ; v1(812.26,597.26) R3.2@855,597.26
  Bottom w15: v2(1130.35,1825.35) C27.1@1180,1825.35 v2(1245,1825.35)
  Bottom w20: C5.1@851.13,1064.65 904.41,1064.65 912.16,1072.4 924.58,1072.4 U4.3@934.65,1072.4 ; U4.1@924.58,997.6 924.93,997.95 962.95,997.95 975,1010 975,1060 962.95,1072.05 U4.3@952.05,1072.05 ; U4.3@935,1072.05 U4.3@952.05,1072.05 ; v3(989.25,1105.85) 985.85,1105.85 U4.3@952.05,1072.05 ; v3(1330,1550) D3.1@1388.84,1550 ; v3(1535,185) 1535.17,185.17 1704.83,185.17 C9.1@1705,185.35 1706.14,185.35 1719.06,172.43 1719.06,171.3 1730.77,159.58 U5.3@1767.6,159.58 1767.95,159.93 1767.95,193.28 1779.67,205 1830.68,205 1842.4,193.28 U5.1@1842.4,159.58
  Bottom w30: L2.1@654.72,1180 L2.1@655,1179.72
AGND: C9.2 C10.2 C15.2 C26.2 J2.1 J2.9 J2.10 J2.11 J2.12 R17.1 R22.1 U1.12 U5.2 | length 395.8
  Bottom w10: C26.2@1410.01,244.54 1410.08,244.62 v1(1410.08,274.92) ; R22.1@1470,244.61 v1(1470,275) ; U1.12@1508.5,491.1 1556.45,491.1 1598,532.65 1598,533.78 1608.87,544.66 C15.2@1610,544.66 1610.34,545 v1(1650,545) ; C9.2@1705,244.66 1705.34,245 v1(1735,245) ; R17.1@1705,374.61 v1(1705,410) ; C10.2@1765,374.66 v1(1804.66,374.66) ; v1(1775.55,445.55) J2.1@1775.55,471.26 ; v1(1805,120) U5.2@1805,159.58
  other v1: 2000,485 2000,517.5 2000,550
AH: U1.41 U7.22 | length 524.2
  Signal w6: v1(965,355) 965,555 v1(979.29,569.29)
  Bottom w6: U7.22@819.84,265.1 819.84,314.84 860,355 v1(965,355) ; v1(979.29,569.29) 979.84,569.84 U1.41@1071.5,569.84
AL: U1.34 U7.1 | length 319.9
  Bottom w6: U7.1@885.1,239.21 909.21,239.21 985,315 985,405 1013.16,433.16 1070.38,433.16 U1.34@1071.5,432.05
AVCC_3.3: C10.1 C15.1 J2.6 pad.11@1498,580 U1.13 U5.5 | length 1356.3
  Top w10: v1(1440,610) 1468,610 pad.11@1498,580
  Signal w10: v1(1440,610) 1465,635 1585,635 1620,600 1620,505 v1(1640,485) 1690,485 1770,405 v2(1825,405)
  Bottom w10: U1.13@1508.5,471.42 1566.42,471.42 1580.35,485.35 C15.1@1610,485.35 1610.35,485 v1(1640,485)
  Bottom w15: C10.1@1765,315.35 C10.1@1766.14,315.35 ; J2.6@1775.55,628.74 1836.26,628.74 1860,605 1860,405 ; v2(1825,405) 1860,405 ; U5.5@1842.4,250.42 1842.4,278.56 1830.96,290 1790.35,290 1774.51,305.84 1774.51,306.97 C10.1@1766.14,315.35 ; C10.1@1766.14,315.35 1790.79,340 1830,340 1860,370 1860,405
BH: U1.42 U7.23 | length 522.7
  Signal w6: v1(945,335) 945,561.87 973.13,590 v1(995,590)
  Bottom w6: U7.23@839.53,265.1 839.53,304.53 870,335 v1(945,335) ; v1(995,590) 995.24,589.76 1071.26,589.76 U1.42@1071.5,589.53
BL: U1.26 U7.2 | length 564.2
  Bottom w6: U7.2@885.1,219.53 909.53,219.53 985,295 1070,295 1105,330 1105,390 1140,425 1235,425 1260.47,399.53 U1.26@1260.47,341.5
CAN1_RX: U1.61 U6.4 | length 1389.9
  Signal w6: v1(610.94,1290.93) 645,1325 969.14,1325 1155,1139.14 1155,815 v1(1245,725)
  Bottom w6: U6.4@575,1394.39 575,1340 608.26,1306.74 608.26,1293.61 v1(610.94,1290.93) ; v1(1245,725) 1375,725 1378.58,728.58 U1.61@1378.58,778.5
CAN1_TX: U1.62 U6.1 | length 1340.9
  Signal w6: v1(690,1290) 705,1305 960,1305 1135,1130 1135,795 v1(1225,705)
  Bottom w6: v1(690,1290) 690,1305 725,1340 U6.1@725,1394.39 ; v1(1225,705) 1380,705 1398.27,723.27 U1.62@1398.27,778.5
CAN_H: R10.2 U6.7 XH1.2 | length 638.2
  Top w6: v1(400,1645) 400,1648.79 390,1658.79 390,1690 395,1695 R10.2@414.7,1695
  Signal w6: v1(400,1645) 390,1635 390,1610 400,1600 460,1600 585,1725 635,1725 655,1705 655,1678.79 665,1668.79 v1(665,1665)
  Bottom w6: v1(400,1645) 390,1635 390,1620 401.1,1608.9 XH1.2@434.21,1608.9 ; v1(665,1665) 655,1655 655,1645 675,1625 U6.7@675,1605.61
CAN_L: R10.1 U6.6 XH1.1 | length 638.1
  Top w6: R10.1@355.39,1695 375,1695 380,1690 380,1658.79 370,1648.79 v1(370,1645)
  Signal w6: v1(370,1645) 370,1644.49 380,1634.49 380,1605 395,1590 465,1590 590,1715 630,1715 645,1700 645,1678.79 635,1668.79 v1(635,1665)
  Bottom w6: XH1.1@335.79,1608.9 368.9,1608.9 380,1620 380,1635 v1(370,1645) ; U6.6@625,1605.61 625,1625 645,1645 645,1655 v1(635,1665)
CH: U1.43 U7.24 | length 521.9
  Top w6: v1@922.32,317.68 v1(925,315)
  Signal w6: v1@922.32,317.68 925,320.36 925,570 965.8,610.8 v1(1010.6,610.8)
  Bottom w6: U7.24@859.21,265.1 860,265.89 860,290 885,315 v1(925,315) ; v1(1010.6,610.8) 1011.39,610.01 1070.7,610.01 U1.43@1071.5,609.21